# KiCad board Soccer_2v2_v1.kicad_pcb (continued)
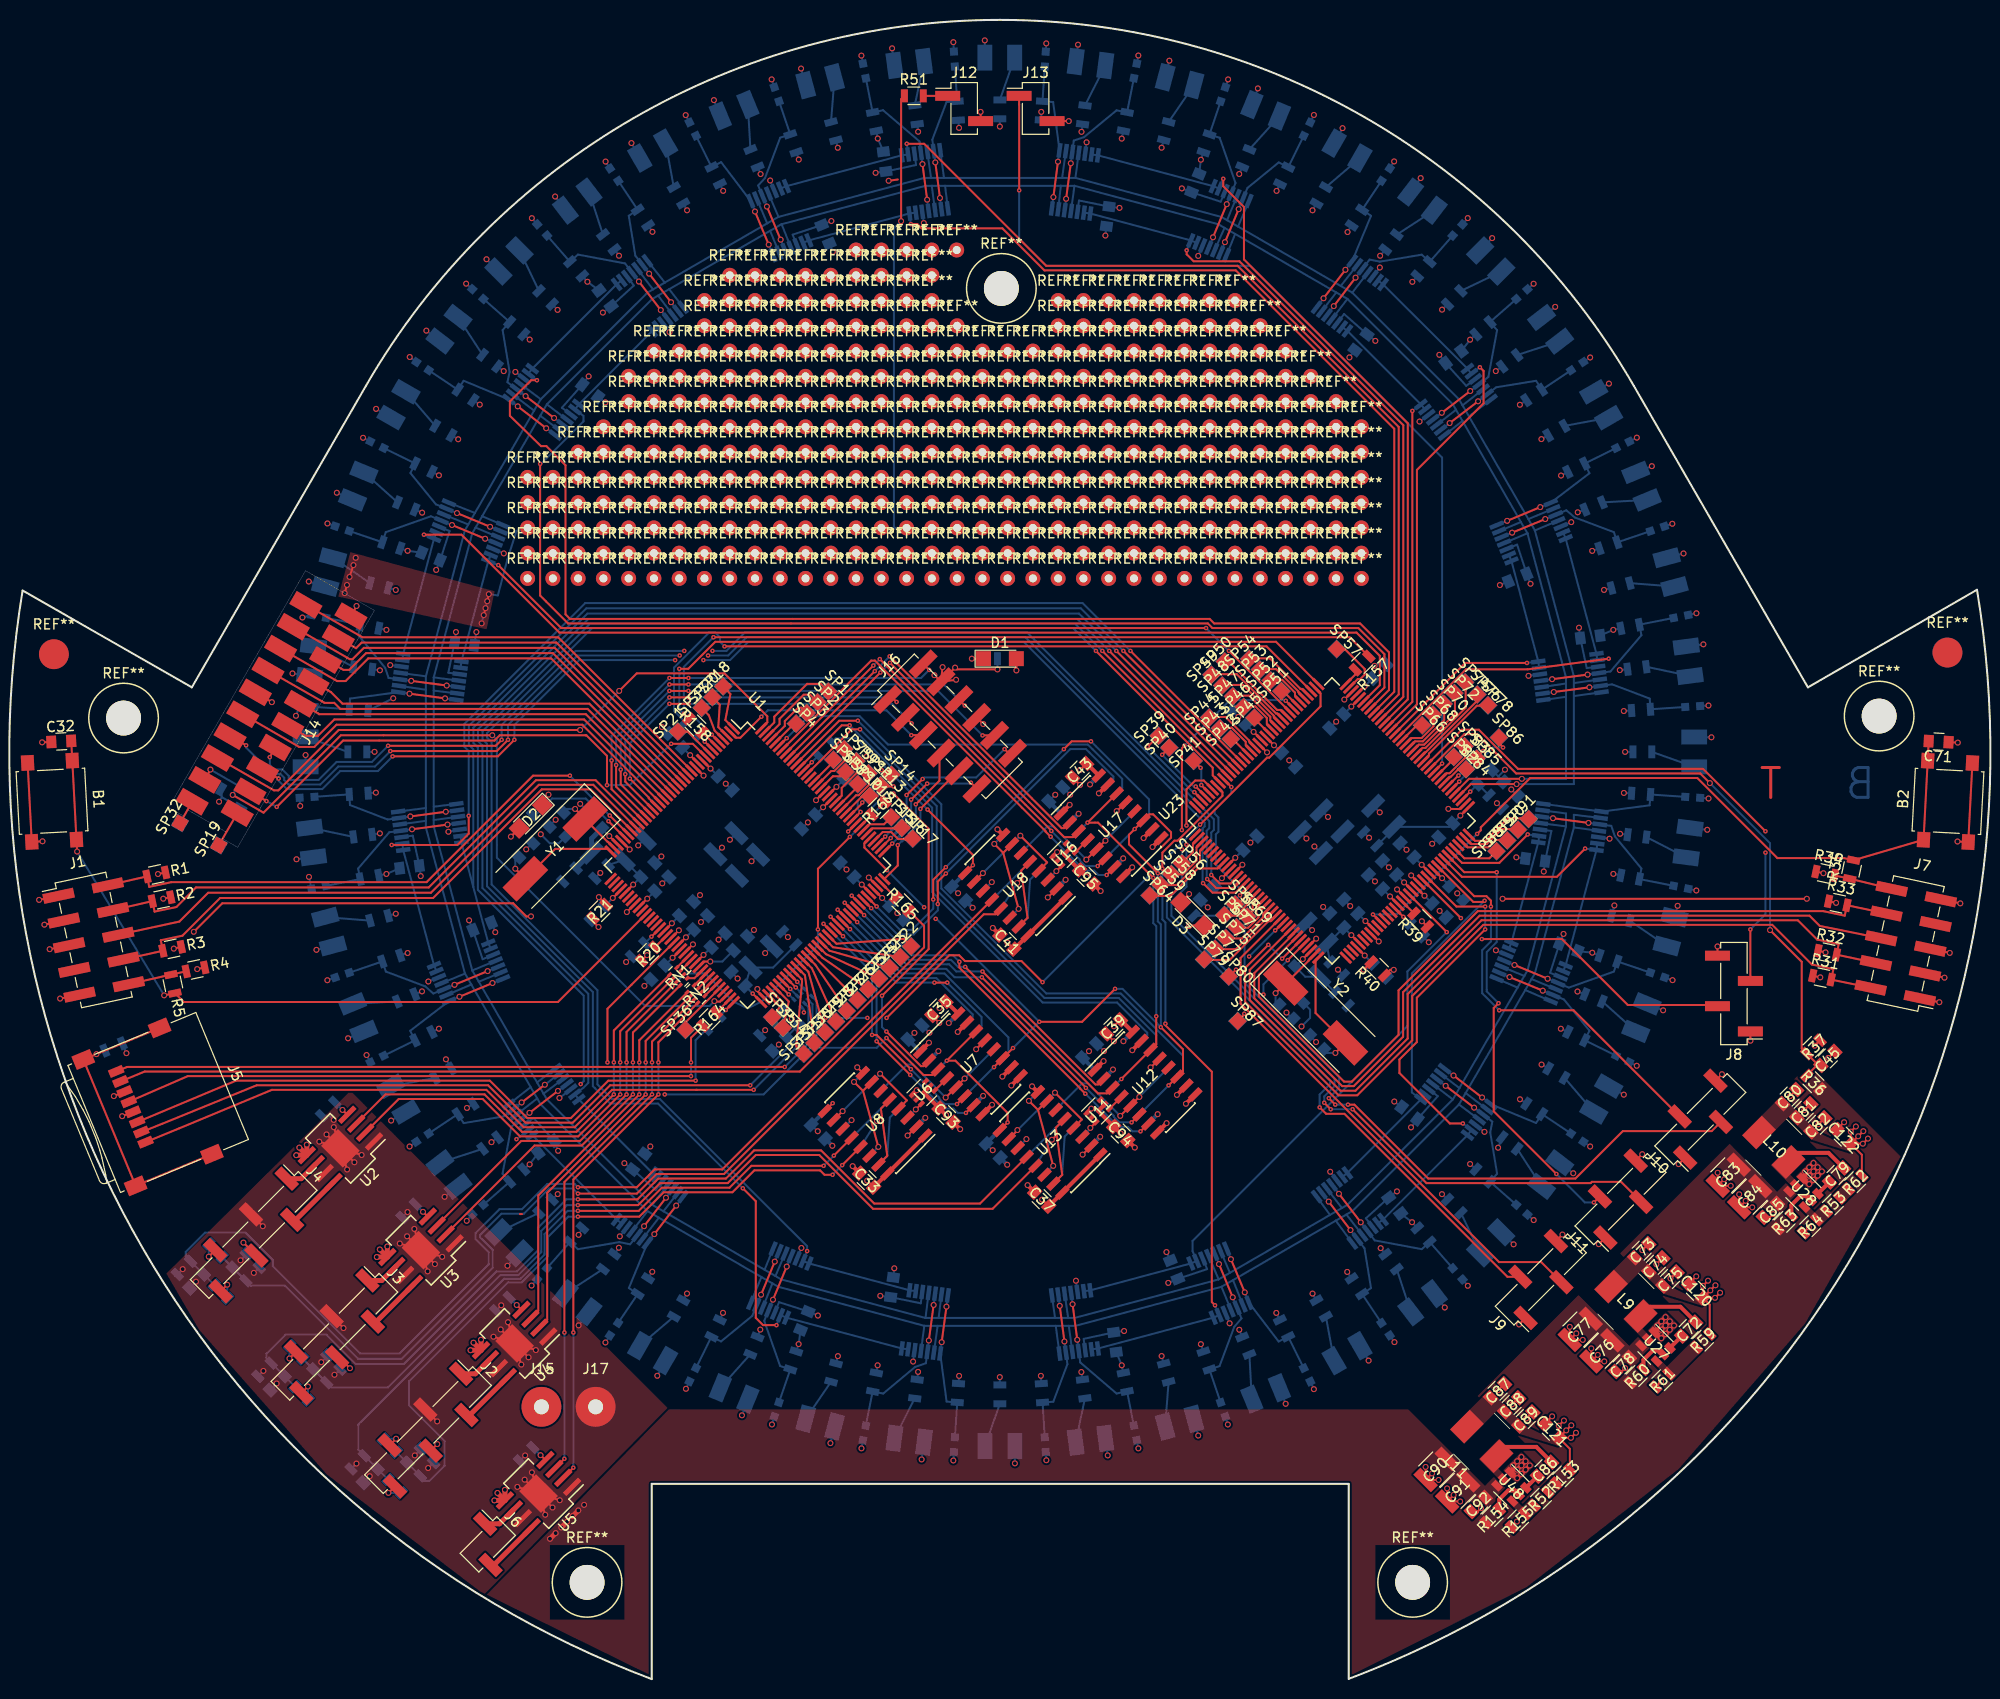
[diagram p0: board, top side]
## Nets (continued)
Net-(J12-Pad1): J12.1 R51.2
Net-(J14-Pad19): J14.19 SP19.1
Net-(J14-Pad20): J14.20 SP32.1
Net-(R18-Pad1): R18.1 U1.51
Net-(R20-Pad1): R20.1 U1.53
Net-(R22-Pad1): R22.1 U2.4
Net-(R23-Pad1): R23.1 U3.4
Net-(R24-Pad1): R24.1 U4.4
Net-(R28-Pad1): R28.1 U5.4
Net-(R38-Pad1): R38.1 U23.51
Net-(R39-Pad1): R39.1 U23.53
Net-(R53-Pad1): R53.1 R64.2 U28.4
Net-(R53-Pad2): R53.2 R62.1
Net-(R54-Pad1): R54.1 U1.132
Net-(R59-Pad1): R59.1 R61.2 U27.4
Net-(R60-Pad1): R60.1 U27.5
Net-(R63-Pad1): R63.1 U28.5
Net-(R153-Pad1): R52.2 R153.1
Net-(R154-Pad1): R154.1 U48.5
Net-(R155-Pad2): R52.1 R155.2 U48.4
Net-(R157-Pad1): R157.1 U1.5
Net-(R158-Pad1): R158.1 U1.6
Net-(R159-Pad1): R159.1 U1.7
Net-(R163-Pad2): R163.2 U1.72
Net-(R164-Pad2): R164.2 U1.71
Net-(R165-Pad2): R165.2 U1.107
Net-(R167-Pad1): R167.1 U3.3
Net-(RN1-Pad2): RN1.2
Net-(RN1-Pad5): RN1.5 U2.3
Net-(RN1-Pad6): RN1.6 U2.2
Net-(RN1-Pad7): RN1.7
Net-(RN1-Pad8): RN1.8 U3.2
Net-(RN2-Pad5): RN2.5 U4.3
Net-(RN2-Pad6): RN2.6 U4.2
Net-(RN2-Pad7): RN2.7 U5.3
Net-(RN2-Pad8): RN2.8 U5.2
Net-(RN3-Pad1): RN3.1 U1.78
Net-(RN3-Pad2): RN3.2 U1.79
Net-(RN3-Pad3): RN3.3 U1.80
Net-(RN3-Pad4): RN3.4 U1.81
Net-(RN4-Pad1): RN4.1 U1.108
Net-(RN4-Pad2): RN4.2 U1.109
Net-(RN4-Pad3): RN4.3 U1.110
Net-(RN4-Pad4): RN4.4 U1.111
Net-(SP1-Pad1): SP1.1 U1.143
Net-(SP2-Pad1): SP2.1 U1.142
Net-(SP3-Pad1): SP3.1 U1.141
Net-(SP4-Pad1): SP4.1 U1.140
Net-(SP6-Pad1): SP6.1 U1.129
Net-(SP7-Pad1): SP7.1 U1.128
Net-(SP8-Pad1): SP8.1 U1.127
Net-(SP9-Pad1): SP9.1 U1.123
Net-(SP10-Pad1): SP10.1 U1.122
Net-(SP11-Pad1): SP11.1 U1.121
Net-(SP12-Pad1): SP12.1 U1.120
Net-(SP13-Pad1): SP13.1 U1.119
Net-(SP14-Pad1): SP14.1 U1.118
Net-(SP15-Pad1): SP15.1 U1.115
Net-(SP16-Pad1): SP16.1 U1.114
Net-(SP17-Pad1): SP17.1 U1.112
Net-(SP18-Pad1): SP18.1 U1.1
Net-(SP20-Pad1): SP20.1 U1.3
Net-(SP21-Pad1): SP21.1 U1.8
Net-(SP22-Pad1): SP22.1 U1.92
Net-(SP23-Pad1): SP23.1 U1.91
Net-(SP24-Pad1): SP24.1 U1.90
Net-(SP25-Pad1): SP25.1 U1.89
Net-(SP26-Pad1): SP26.1 U1.88
Net-(SP27-Pad1): SP27.1 U1.87
Net-(SP28-Pad1): SP28.1 U1.86
Net-(SP29-Pad1): SP29.1 U1.85
Net-(SP30-Pad1): SP30.1 U1.84
Net-(SP31-Pad1): SP31.1 U1.83
Net-(SP33-Pad1): SP33.1 U1.82
Net-(SP34-Pad1): SP34.1 U1.77
Net-(SP35-Pad1): SP35.1 U1.76
Net-(SP36-Pad1): SP36.1 U1.68
Net-(SP37-Pad1): SP37.1 U1.4
Net-(SP39-Pad1): SP39.1 U23.142
Net-(SP40-Pad1): SP40.1 U23.141
Net-(SP41-Pad1): SP41.1 U23.140
Net-(SP42-Pad1): SP42.1 U23.129
Net-(SP43-Pad1): SP43.1 U23.128
Net-(SP44-Pad1): SP44.1 U23.127
Net-(SP45-Pad1): SP45.1 U23.123
Net-(SP46-Pad1): SP46.1 U23.122
Net-(SP47-Pad1): SP47.1 U23.121
Net-(SP48-Pad1): SP48.1 U23.120
Net-(SP49-Pad1): SP49.1 U23.119
Net-(SP50-Pad1): SP50.1 U23.118
Net-(SP51-Pad1): SP51.1 U23.115
Net-(SP52-Pad1): SP52.1 U23.114
Net-(SP53-Pad1): SP53.1 U23.113
Net-(SP54-Pad1): SP54.1 U23.112
Net-(SP56-Pad1): SP56.1 U23.2
Net-(SP57-Pad1): SP57.1 U23.107
Net-(SP58-Pad1): SP58.1 U23.3
Net-(SP59-Pad1): SP59.1 U23.4
Net-(SP64-Pad1): SP64.1 U23.9
Net-(SP65-Pad1): SP65.1 U23.17
Net-(SP66-Pad1): SP66.1 U23.92
Net-(SP67-Pad1): SP67.1 U23.18
Net-(SP68-Pad1): SP68.1 U23.91
Net-(SP69-Pad1): SP69.1 U23.19
Net-(SP70-Pad1): SP70.1 U23.90
Net-(SP71-Pad1): SP71.1 U23.20
Net-(SP72-Pad1): SP72.1 U23.89
Net-(SP74-Pad1): SP74.1 U23.88
Net-(SP75-Pad1): SP75.1 U23.22
Net-(SP76-Pad1): SP76.1 U23.87
Net-(SP77-Pad1): SP77.1 U23.23
Net-(SP78-Pad1): SP78.1 U23.86
Net-(SP79-Pad1): SP79.1 U23.24
Net-(SP80-Pad1): SP80.1 U23.26
Net-(SP82-Pad1): SP82.1 U23.82
Net-(SP83-Pad1): SP83.1 U23.81
Net-(SP84-Pad1): SP84.1 U23.80
Net-(SP85-Pad1): SP85.1 U23.79
Net-(SP86-Pad1): SP86.1 U23.78
Net-(SP87-Pad1): SP87.1 U23.32
Net-(SP88-Pad1): SP88.1 U23.68
Net-(SP89-Pad1): SP89.1 U23.70
Net-(SP90-Pad1): SP90.1 U23.71
Net-(SP91-Pad1): SP91.1 U23.72
Net-(U1-Pad37): U1.37
Net-(U1-Pad38): U1.38
Net-(U1-Pad39): U1.39
Net-(U1-Pad42): U1.42
Net-(U1-Pad43): U1.43
Net-(U1-Pad46): U1.46
Net-(U1-Pad48): U1.48
Net-(U1-Pad49): U1.49
Net-(U1-Pad50): U1.50
Net-(U1-Pad69): U1.69
Net-(U1-Pad130): U1.130
Net-(U6-Pad3): U6.3 U9.6
Net-(U6-Pad4): U6.4 U7.4
Net-(U6-Pad6): U6.6
Net-(U7-Pad12): U7.12
Net-(U8-Pad3): U8.3
Net-(U8-Pad6): U8.6
Net-(U8-Pad11): U8.11
Net-(U8-Pad14): U8.14
Net-(U10-Pad4): U7.13 U10.4
Net-(U10-Pad12): U10.12
Net-(U10-Pad13): U10.13
Net-(U11-Pad3): U11.3 U14.6
Net-(U11-Pad4): U11.4 U12.4
Net-(U11-Pad6): U11.6
Net-(U12-Pad12): U12.12
Net-(U12-Pad13): U12.13 U15.4
Net-(U13-Pad3): U13.3
Net-(U13-Pad6): U13.6
Net-(U13-Pad11): U13.11
Net-(U13-Pad14): U13.14
Net-(U15-Pad12): U15.12
Net-(U15-Pad13): U15.13
Net-(U16-Pad3): U16.3 U19.6
Net-(U16-Pad4): U16.4 U17.4
Net-(U16-Pad6): U16.6
Net-(U17-Pad12): U17.12
Net-(U17-Pad13): U17.13 U20.4
Net-(U18-Pad3): U18.3
Net-(U18-Pad6): U18.6
Net-(U18-Pad11): U18.11
Net-(U18-Pad14): U18.14
Net-(U20-Pad12): U20.12
Net-(U20-Pad13): U20.13
Net-(U23-Pad1): U23.1
Net-(U23-Pad5): U23.5
Net-(U23-Pad6): U23.6
Net-(U23-Pad7): U23.7
Net-(U23-Pad8): U23.8
Net-(U23-Pad21): U23.21
Net-(U23-Pad27): U23.27
Net-(U23-Pad37): U23.37
Net-(U23-Pad38): U23.38
Net-(U23-Pad39): U23.39
Net-(U23-Pad42): U23.42
Net-(U23-Pad43): U23.43
Net-(U23-Pad46): U23.46
Net-(U23-Pad48): U23.48
Net-(U23-Pad49): U23.49
Net-(U23-Pad50): U23.50
Net-(U23-Pad69): U23.69
Net-(U23-Pad130): U23.130
Net-(U23-Pad143): U23.143
Net-(U23-Pad144): U23.144

Pads without a net: REF** 1; REF**#2 1; REF**#3 1; REF**#4 1; REF**#5 1; REF**#6 1; REF**#7 1; REF**#8 1; REF**#9 1; REF**#10 1; REF**#11 1; REF**#12 1; REF**#13 1; REF**#14 1; REF**#15 1; REF**#16 1; REF**#17 1; REF**#18 1; REF**#19 1; REF**#20 1; REF**#21 1; REF**#22 1; REF**#23 1; REF**#24 1; REF**#25 1; REF**#26 1; REF**#27 1; REF**#28 1; REF**#29 1; REF**#30 1; REF**#31 1; REF**#32 1; REF**#33 1; REF**#34 1; REF**#35 1; REF**#36 1; REF**#37 1; REF**#38 1; REF**#39 1; REF**#40 1; REF**#41 1; REF**#42 1; REF**#43 1; REF**#44 1; REF**#45 1; REF**#46 1; REF**#47 1; REF**#48 1; REF**#49 1; REF**#50 1; REF**#51 1; REF**#52 1; REF**#53 1; REF**#54 1; REF**#55 1; REF**#56 1; REF**#57 1; REF**#58 1; REF**#59 1; REF**#60 1; REF**#61 1; REF**#62 1; REF**#63 1; REF**#64 1; REF**#65 1; REF**#66 1; REF**#67 1; REF**#68 1; REF**#69 1; REF**#70 1; REF**#71 1; REF**#72 1; REF**#73 1; REF**#74 1; REF**#75 1; REF**#76 1; REF**#77 1; REF**#78 1; REF**#79 1; REF**#80 1; REF**#81 1; REF**#82 1; REF**#83 1; REF**#84 1; REF**#85 1; REF**#86 1; REF**#87 1; REF**#88 1; REF**#89 1; REF**#90 1; REF**#91 1; REF**#92 1; REF**#93 1; REF**#94 1; REF**#95 1; REF**#96 1; REF**#97 1; REF**#98 1; REF**#99 1; REF**#100 1; REF**#101 1; REF**#102 1; REF**#103 1; REF**#104 1; REF**#105 1; REF**#106 1; REF**#107 1; REF**#108 1; REF**#109 1; REF**#110 1; REF**#111 1; REF**#112 1; REF**#113 1; REF**#114 1; REF**#115 1; REF**#116 1; REF**#117 1; REF**#118 1; REF**#119 1; REF**#120 1; REF**#121 1; REF**#122 1; REF**#123 1; REF**#124 1; REF**#125 1; REF**#126 1; REF**#127 1; REF**#128 1; REF**#129 1; REF**#130 1; REF**#131 1; REF**#132 1; REF**#133 1; REF**#134 1; REF**#135 1; REF**#136 1; REF**#137 1; REF**#138 1; REF**#139 1; REF**#140 1; REF**#141 1; REF**#142 1; REF**#143 1; REF**#144 1; REF**#145 1; REF**#146 1; REF**#147 1; REF**#148 1; REF**#149 1; REF**#150 1; REF**#151 1; REF**#152 1; REF**#153 1; REF**#154 1; REF**#155 1; REF**#156 1; REF**#157 1; REF**#158 1; REF**#159 1; REF**#160 1; REF**#161 1; REF**#162 1; REF**#163 1; REF**#164 1; REF**#165 1; REF**#166 1; REF**#167 1; REF**#168 1; REF**#169 1; REF**#170 1; REF**#171 1; REF**#172 1; REF**#173 1; REF**#174 1; REF**#175 1; REF**#176 1; REF**#177 1; REF**#178 1; REF**#179 1; REF**#180 1; REF**#181 1; REF**#182 1; REF**#183 1; REF**#184 1; REF**#185 1; REF**#186 1; REF**#187 1; REF**#188 1; REF**#189 1; REF**#190 1; REF**#191 1; REF**#192 1; REF**#193 1; REF**#194 1; REF**#195 1; REF**#196 1; REF**#197 1; REF**#198 1; REF**#199 1; REF**#200 1; REF**#201 1; REF**#202 1; REF**#203 1; REF**#204 1; REF**#205 1; REF**#206 1; REF**#207 1; REF**#208 1; REF**#209 1; REF**#210 1; REF**#211 1; REF**#212 1; REF**#213 1; REF**#214 1; REF**#215 1; REF**#216 1; REF**#217 1; REF**#218 1; REF**#219 1; REF**#220 1; REF**#221 1; REF**#222 1; REF**#223 1; REF**#224 1; REF**#225 1; REF**#226 1; REF**#227 1; REF**#228 1; REF**#229 1; REF**#230 1; REF**#231 1; REF**#232 1; REF**#233 1; REF**#234 1; REF**#235 1; REF**#236 1; REF**#237 1; REF**#238 1; REF**#239 1; REF**#240 1; REF**#241 1; REF**#242 1; REF**#243 1; REF**#244 1; REF**#245 1; REF**#246 1; REF**#247 1; REF**#248 1; REF**#249 1; REF**#250 1; REF**#251 1; REF**#252 1; REF**#253 1; REF**#254 1; REF**#255 1; REF**#256 1; REF**#257 1; REF**#258 1; REF**#259 1; REF**#260 1; REF**#261 1; REF**#262 1; REF**#263 1; REF**#264 1; REF**#265 1; REF**#368 1; REF**#369 1; REF**#375 1; REF**#376 1; REF**#377 1

## Via types
v1: diameter 0.6, hole 0.4, Top to Bottom, 794 vias
v2: diameter 0.45, hole 0.2, Top to Bottom, 285 vias

## Routing (per net, layer and track width the routed paths; a pad name or vN(x,y) marks a point on that pad's centre or on a via; arc(x,y) is an arc through that point)
+3V3: length 196.5
  Top w0.2: v1(70.47,72.15) 69.83,72.15 U1.62 ; C32.1 v1(3.29,94.19) ; C71.1 v1(195.89,94.16) ; R59.2 170.95,37.65 C120.1 ; J1.1 v1(2.99,78.35) ; R1.1 v1(14.94,80.95) ; R2.1 v1(15.47,78.47) ; R3.1 v1(16.53,73.45) ; R4.1 v1(18.88,71.39) ; J5.4 v1(11.34,56.6) ; J7.1 v1(194.03,68.06) ; R34.1 v1(182.38,81.03) ; R33.1 v1(183.65,78.05) ; R32.1 v1(182.59,73.07) ; R31.1 v1(182.06,70.56) ; v1(93.5,67.48) 94.16,68.13 C35.2 94.16,68.14 ; v1(111.04,65.64) 111.7,66.3 C39.2 ; v1(107.65,91.42) 108.3,92.07 C43.2 ; v1(100.34,74.05) 100.99,73.4 C41.2 ; v1(86.24,50.12) 86.9,49.46 C33.2 ; v1(103.83,48.21) 104.49,47.55 C37.2 ; v1(64.11,72.79) 63.56,72.24 R20.2 ; v1(142.01,76.2) 142.56,75.65 R39.2 ; v1(180.71,78.46) v1(150.12,78.46) ; v1(52.44,76.69) 52.43,76.68 51.98,76.68 50.65,78.01 21.41,78.01 v1(18.54,75.14) ; C120.1 170.26,39.54 v1(170.26,39.55) v1(170.77,40.06) ; C120.1 170.26,38.34 v1(171.01,39.08) v1(171.52,39.59) ; C120.1 v1(171.48,38.34) v1(171.99,38.85) ; v1(142.27,78.76) U23.57 ; v1(83.15,89.71) U1.125 ; v1(68.44,92.89) U1.11 ; v1(136.26,99.83) U23.105 ; v1(138.81,78.69) U23.52 ; v1(121.91,80.53) U23.11 ; v1(66.6,75.99) U1.52 ; v1(125.09,95.24) U23.125 ; v1(66.68,72.53) U1.57 ; v1(144.04,80.53) U23.62 ; v1(87.75,78.54) U1.105
  Top w0.4: 86.91,49.47 86.91,49.46 ; C33.2 86.9,49.46 U8.16 U8.1 ; U6.5 91.91,58.97 C93.2 v1(94.17,56.71) ; U11.5 109.46,57.13 C94.2 v1(111.72,54.86) ; C39.2 U12.16 ; C41.2 101.01,73.4 U18.16 U18.1 ; U17.16 109.53,90.85 C43.2 ; v1(108.29,80.66) C95.2 106.03,82.92 U16.5 ; U7.16 C35.2 ; C37.2 105.86,48.91 U13.16 U13.1 ; R59.2 170.93,34.71
  In1.Cu w0.2: v1(18.54,75.14) 16.85,73.45 v1(16.53,73.45) ; v1(180.71,78.46) 182.38,80.13 v1(182.38,81.03)
  Bottom w0.2: v1(70.47,72.15) 71.68,72.15 C18.1 ; v1(77.36,63.8) 76.71,63.15 C10.1 ; L2.2 v1(75.98,65.25) ; v1(149.55,88.07) L6.1 150.1,87.52 ; v1(151,89.45) C48.1 151.37,88.8 ; v1(90.99,64.98) 90.34,64.32 C36.2 ; v1(108.54,63.14) 107.89,62.48 C40.2 ; C44.2 v1(105.15,88.92) ; v1(95.38,79.02) 94.72,79.68 C42.2 ; v1(81.27,55.09) 80.62,55.74 C34.2 ; v1(98.86,53.18) 98.2,53.84 C38.2 ; L4.1 v1(59.41,81.06) ; L8.1 v1(133.57,71.33) ; L3.1 v1(78.27,74.61) ; v1(121.91,80.53) C55.1 121.14,79.77 ; v1(136.26,99.83) C58.1 137.02,100.6 ; 138.04,79.46 C54.1 v1(138.81,78.69) ; v1(142.27,78.76) C56.1 143.04,77.99 ; C19.1 v1(87.75,78.54) ; C57.1 v1(144.04,80.53) ; C15.1 v1(66.6,75.99) ; C17.1 v1(66.68,72.53) ; C14.1 v1(71.64,83.6) ; L7.1 v1(136.7,84.6) ; C20.1 v1(83.15,89.71) ; C53.1 v1(131.2,83.72) ; v1(125.09,95.24) C59.1 124.33,96 ; C16.1 v1(68.44,92.89)
  Bottom w0.4: C40.2 U15.16 ; U20.16 105.71,87.04 C44.2 ; U10.16 C36.2 ; C38.2 U14.14 ; U9.14 C34.2 ; U19.14 C42.2
+5V: length 215.6
  Top w0.2: R62.2 186.24,52.72 C122.1 ; C122.1 185.13,53.83 v1(185.87,54.58) v1(186.39,55.09) ; C122.1 v1(186.34,53.83) v1(186.86,54.35) ; C122.1 185.13,55.05 v1(185.13,55.05) v1(185.64,55.56)
  Top w0.4: R62.2 186.23,50.65
  Bottom w0.2: R43.1 v1(99.58,156.1) ; R129.1 v1(91.36,155.58) ; R44.1 v1(83.29,153.97) ; R130.1 v1(75.52,151.32) ; R49.1 v1(68.13,147.68) ; R131.1 v1(61.29,143.11) ; R50.1 v1(55.11,137.67) ; R132.1 v1(49.7,131.51) ; R69.1 v1(45.12,124.66) ; R133.1 v1(41.5,117.28) ; R70.1 v1(38.85,109.51) ; R134.1 v1(37.25,101.43) ; R75.1 v1(36.71,93.23) ; R135.1 v1(37.25,85.03) ; R76.1 v1(38.85,76.95) ; R136.1 v1(41.49,69.15) ; R138.1 v1(61.28,43.37) ; R87.1 v1(68.13,38.77) ; R139.1 v1(75.49,35.14) ; R88.1 v1(83.3,32.47) ; R140.1 v1(91.36,30.89) ; R93.1 v1(99.57,30.36) ; R141.1 v1(107.77,30.87) ; R94.1 v1(115.84,32.48) ; R142.1 v1(123.65,35.13) ; R99.1 v1(131.01,38.76) ; R143.1 v1(137.86,43.33) ; R100.1 v1(144.03,48.76) ; R105.1 v1(154.04,61.79) ; R145.1 v1(157.65,69.13) ; R146.1 v1(161.94,84.99) ; R111.1 v1(162.44,93.23) ; R147.1 v1(161.91,101.45) ; R112.1 v1(160.32,109.51) ; R148.1 v1(157.68,117.32) ; R117.1 v1(154.03,124.68) ; R149.1 v1(149.44,131.51) ; R118.1 v1(144.04,137.69) ; R150.1 v1(137.81,143.11) ; R123.1 v1(131.01,147.68) ; R151.1 v1(123.65,151.33) ; R124.1 v1(115.84,153.98) ; R152.1 v1(107.79,155.57) ; Q1.1 v1(94.9,164.58) ; Q2.1 v1(85.66,163.23) ; Q3.1 v1(76.64,160.84) ; Q4.1 v1(68,157.25) ; Q5.1 v1(59.94,152.58) ; Q6.1 v1(52.53,146.89) ; Q7.1 v1(45.92,140.3) ; Q8.1 v1(40.25,132.93) ; Q9.1 v1(35.56,124.81) ; Q10.1 v1(31.98,116.2) ; Q15.1 v1(31.97,70.27) ; Q17.1 v1(40.24,53.55) ; Q20.1 v1(59.93,33.85) ; Q21.1 v1(68.02,29.19) ; Q22.1 v1(76.67,25.6) ; Q23.1 v1(85.67,23.2) ; Q24.1 v1(94.9,21.98) ; Q25.1 v1(104.25,22) ; Q26.1 v1(113.5,23.2) ; Q27.1 v1(122.5,25.6) ; Q28.1 v1(131.15,29.15) ; Q29.1 v1(139.25,33.88) ; Q30.1 v1(146.63,39.55) ; Q31.1 v1(153.25,46.15) ; Q32.1 v1(158.93,53.55) ; Q33.1 v1(163.61,61.67) ; Q34.1 v1(167.21,70.28) ; Q35.1 v1(169.6,79.29) ; Q36.1 v1(170.83,88.54) ; Q37.1 v1(170.82,97.89) ; Q38.1 v1(169.61,107.17) ; Q39.1 v1(167.19,116.16) ; Q40.1 v1(163.62,124.82) ; Q41.1 v1(158.93,132.88) ; Q42.1 v1(153.24,140.3) ; Q43.1 v1(146.62,146.9) ; Q44.1 v1(139.22,152.6) ; Q45.1 v1(131.15,157.27) ; Q46.1 v1(122.53,160.84) ; Q47.1 v1(113.5,163.24) ; Q48.1 v1(104.25,164.46) ; U24.3 91.15,152.24 C96.2 v1(87.09,151.45) ; U25.3 78.75,145.23 C97.2 v1(82.64,146.6) ; U21.3 62.78,140.12 C98.2 v1(59.67,137.4) ; U22.3 55.55,127.83 C99.2 v1(58.24,130.99) ; U26.3 44.26,115.43 C100.2 v1(42.91,111.52) ; U29.3 44.13,101.18 C101.2 v1(44.9,105.28) ; U30.3 40.56,84.81 C102.2 v1(41.36,80.74) ; U31.3 47.58,72.38 C103.2 v1(46.22,76.29) ; U32.3 52.69,56.43 C104.2 v1(55.17,53.12) ; U33.3 64.98,49.19 C105.2 v1(61.83,51.87) ; U34.3 77.38,37.9 C106.2 v1(81.29,36.55) ; U35.3 91.63,37.79 C107.2 v1(87.56,38.54) ; U36.3 108.01,34.21 C108.2 v1(112.07,35) ; U37.3 120.42,41.22 C109.2 v1(116.51,39.84) ; U38.3 136.38,46.32 C110.2 v1(139.5,49.04) ; U39.3 143.61,58.61 C111.2 v1(140.92,55.48) ; U40.3 154.9,71.01 C112.2 v1(156.25,74.92) ; U41.3 155.03,85.28 C113.2 v1(154.26,81.2) ; U42.3 158.58,101.65 C114.2 v1(157.8,105.71) ; U43.3 151.58,114.07 C115.2 v1(152.93,110.13) ; U44.3 146.47,130.03 C116.2 v1(143.76,133.15) ; U45.3 134.18,137.25 C117.2 v1(137.33,134.55) ; U46.3 121.79,148.54 C118.2 v1(117.88,149.88) ; U47.3 107.54,148.67 C119.2 v1(111.61,147.92) ; Q11.1 v1(29.46,106.74) ; Q12.1 v1(28.81,96.86) ; Q16.1 v1(35.91,62.75) ; R81.1 v1(43.89,62.32) ; R137.1 v1(48.47,53.99) ; Q14.1 v1(30.12,80.66) ; R106.1 v1(161.36,77.79) ; Q13.1 v1(29.24,87.79) ; R144.1 v1(149.67,53.43) ; v1(55.13,48.77) R82.1 54.57,48.22 ; Q19.1 v1(52.5,39.57) ; v1(45.98,46.08) Q18.1 46.54,46.63
+5VD: length 97.4
  Top w0.2: R153.2 156.88,23.15 C121.1 ; v1(34.9,107.9) J14.1 ; v1(34.24,31.26) 33.15,32.35 J3.4 ; v1(43.02,23.63) J2.4 ; J16.4 93.66,100.28 v1(95.08,101.7) 95.26,101.52 v1(99.34,101.52) ; J16.4 v1(93,100.94) ; J16.4 v1(93.82,101.75) ; J16.4 v1(95.18,100.48) ; R51.1 89.65,158.86 v1(89.65,146.59) ; v1(175.04,64.19) 175.04,64.19 J8.1 ; J10.1 v1(167.82,51.78) ; J11.1 v1(159.79,43.73) ; v1(151.78,35.66) J9.1 ; v1(33.71,109.19) v1(33.94,110.01) ; v1(34.2,110.82) v1(34.59,112.01) ; C121.1 v1(156.52,25.01) v1(157.03,25.52) ; C121.1 155.77,25.47 v1(155.77,25.48) v1(156.29,26) ; C121.1 156.34,24.26 ; C121.1 155.77,24.81 ; C121.1 156.99,24.26 v1(156.99,24.26) v1(157.5,24.77) ; v1(48.2,109.09) v1(48.04,108.38) ; v1(47.87,107.68) v1(47.69,106.98) ; J4.4 v1(23.53,43.89) ; J4.4 24.83,42.59 ; J4.4 24.83,42.43
  Top w0.4: R153.2 156.87,21.06
  In1.Cu w0.2: v1(34.9,107.9) v1(33.71,109.19) ; v1(33.94,110.01) v1(34.2,110.82) ; v1(34.59,112.01) v1(34.82,112.74)
  Bottom w0.2: R26.1 21.36,88.67 ; 21.36,88.67 R25.1 ; 21.36,88.67 v1(21.08,88.22) ; v1(89.65,146.59) 88.93,145.87 88.93,115.75 REF**#349.1 ; v1(48.04,108.38) v1(47.87,107.68) ; v1(47.69,106.98) v1(47.48,106.15) ; REF**#334.1 50.98,115.45 50.06,112.55 49.11,108.96 v1(48.2,109.09) ; R29.2 v1(99.34,101.52)
+12V: length 29.3
  Top w0.4: 164.04,33.52 U27.3
  Top w0.5: v1(49.82,19.03) 49.82,19.03 U5.5 ; v1(49.07,18.72) 49.82,17.97 U5.5 ; v1(47.42,34.13) 47.42,34.13 U4.5 ; v1(46.66,33.83) 47.42,33.07 U4.5 ; v1(36.94,42.44) 36.94,42.44 U3.5 ; v1(38,43.5) 38,43.5 U3.5 ; v1(37.24,43.2) 38,42.44 U3.5 ; v1(28.84,52.68) 28.84,52.68 U2.5 ; v1(29.9,53.74) 29.9,53.73 U2.5 ; v1(29.15,53.44) 29.9,52.68 U2.5 ; v1(54.35,14.11) v1(54.92,14.68) ; v1(55.49,15.25) v1(56.06,15.82) ; v1(56.63,16.39) v1(57.2,16.96) ; U4.5 v1(46.36,33.07) ; R154.2 148.45,15.73 ; R63.2 177.81,45.3 ; U5.5 v1(48.76,17.97)
  In1.Cu w0.5: v1(54.92,14.68) v1(55.49,15.25) ; v1(56.06,15.82) v1(56.63,16.39) ; v1(57.2,16.96) 57.76,17.52 v1(57.78,17.52) 57.78,19.21 53.49,23.5 J15.1
/Motor Controller/VDDANA: length 9.7
  Top w0.2: v2(74.74,68.92) U1.73
  Bottom w0.2: L3.2 79.06,73.82 76.78,71.54 C24.1 C23.1 v2(74.74,68.92)
/Motor Controller/VDDOUT: length 13.7
  Top w0.2: v1(70.49,91.55) U1.10 ; v1(68.02,74.58) U1.56 ; v1(81.81,87.66) U1.124 ; v1(64.13,78.47) U1.45 ; v1(69.79,72.81) U1.61 ; v1(85.7,79.88) U1.104
  Bottom w0.2: C28.1 v1(68.02,74.58) ; C27.1 v1(64.13,78.47) ; C26.1 v1(70.49,91.55) ; C31.1 v1(81.81,87.66) ; C29.1 v1(69.79,72.81) ; C30.1 v1(85.7,79.88)
/Motor Controller/VDDUTMI: length 6.4
  Top w0.2: v1(62.72,79.88) U1.41
  Bottom w0.2: L4.2 C22.1 C21.1 v1(62.72,79.88)
/Sensor Controller/VDDANA: length 10.9
  Top w0.2: v1(145.88,86.82) U23.73
  Bottom w0.2: L7.2 139.23,85.55 C63.1 144.74,85.69 C62.1 v1(145.88,86.82)
/Sensor Controller/VDDOUT: length 13.7
  Top w0.2: v1(123.25,82.58) U23.10 ; v1(127.14,93.89) U23.124 ; v1(136.33,76.22) U23.45 ; v1(140.22,80.11) U23.56 ; v1(134.92,97.78) U23.104 ; v1(141.99,81.87) U23.61
  Bottom w0.2: C66.1 v1(136.33,76.22) ; C67.1 v1(140.22,80.11) ; C68.1 v1(141.99,81.87) ; C70.1 v1(127.14,93.89) ; C65.1 v1(123.25,82.58) ; C69.1 v1(134.92,97.78)
/Sensor Controller/VDDUTMI: length 6.5
  Top w0.2: v1(134.92,74.8) U23.41
  Bottom w0.2: L8.2 C61.1 C60.1 v1(134.92,74.8)
GND: length 498.6
  Top w0.2: U8.8 v1(85.24,61.51) ; v1(59.23,75.62) 58.66,76.19 R21.2 ; U1.44 v1(62.08,77.12) ; v1(68.72,73.87) 67.88,73.03 U1.58 ; v1(86.4,80.59) 87.25,79.74 U1.106 ; U1.126 v1(81.1,88.37) ; U1.12 v1(69.79,90.84) ; U1.33 v1(62.36,83.42) ; J1.3 v1(3.52,75.85) ; J1.5 v1(4.05,73.39) ; J1.9 v1(5.1,68.43) ; J5.6 v1(10.5,58.62) ; J4.3 v1(25.48,45.54) ; J3.3 v1(33.59,35.3) ; v1(139.18,71.32) 138.83,71.32 R40.2 ; B2.2 B2.2 v1(195.86,84.22) ; J7.9 v1(196.14,78) ; J7.5 v1(195.08,73.02) ; J7.3 v1(194.55,70.53) ; B1.2 B1.2 v1(3.33,84.24) ; J14.10 v1(26.39,98.23) ; U23.74 145.82,87.48 v1(144.67,87.5) ; v1(134.21,98.49) 135.06,99.34 U23.106 ; v1(126.44,93.18) 125.58,94.03 U23.126 ; v1(123.96,81.88) 123.11,81.03 U23.12 ; U23.33 v1(131.38,74.45) ; v1(137.67,74.17) 136.83,75.01 U23.44 136.78,75.01 ; v1(139.51,79.4) 140.36,78.55 U23.54 ; v1(140.93,80.81) 141.77,79.96 U23.58 ; 154.35,25.68 C121.2 v1(155.1,26.42) ; 167.66,40.94 C75.2 v1(167.01,40.29) ; 182.53,56.43 C82.2 182.53,56.44 v1(181.87,55.78) ; v1(67.31,75.29) 66.46,74.44 U1.54 66.46,74.44 ; C83.2 v1(172.4,50.26) ; C83.2 173.06,49.6 v1(173.06,49.6) ; C83.2 v1(171.75,50.91) ; v1(173.91,48.75) 173.91,48.74 C84.2 ; v1(175.22,47.43) 175.22,47.44 C84.2 ; C84.2 v1(174.56,48.09) ; v1(177.31,46.75) 176.98,46.42 C85.2 ; v1(180.92,45.43) 180.37,44.88 R64.1 ; v1(179.03,58.62) 179.69,59.28 C80.2 ; C81.2 v1(180.45,57.2) ; v1(164.17,43.13) 164.82,43.78 C73.2 ; v1(165.58,41.71) 166.24,42.36 C74.2 ; v1(157.53,34.76) 156.88,34.11 C77.2 ; v1(158.18,34.11) 158.18,34.11 C77.2 ; v1(159.04,33.25) 159.04,33.25 C76.2 ; v1(160.35,31.94) 160.35,31.94 C76.2 ; C76.2 v1(159.7,32.6) ; v1(162.44,31.26) 162.11,30.93 C78.2 ; v1(166.06,29.93) 165.51,29.38 R61.1 ; v1(147.95,17.18) 147.62,16.85 C92.2 ; v1(143.69,20.03) 143.69,20.02 C90.2 ; v1(143.04,20.68) 142.38,20.03 C90.2 ; v1(144.54,19.17) 144.55,19.17 C91.2 ; C91.2 v1(145.2,18.52) ; C91.2 145.86,17.86 v1(145.86,17.86) ; R155.1 v1(151.56,15.84) ; C87.2 v1(149.67,29.05) ; v1(151.09,27.63) 151.74,28.28 C88.2 ; v1(152.51,26.21) 153.17,26.86 C89.2 ; v1(97.64,157.58) 97.65,157.57 J12.2 ; v1(75.2,69.39) 75.2,69.17 75.94,68.43 U1.74 75.94,68.47 ; U2.1 v1(32.61,55.5) ; U2.1 v1(31.15,54.04) ; U2.1 v1(35.41,52.7) ; U2.1 v1(33.95,51.24) ; U2.1 v1(34.68,51.97) ; U2.1 v1(31.88,54.77) ; U3.1 v1(40.71,45.27) ; U3.1 v1(39.25,43.8) ; U3.1 v1(43.51,42.46) ; U3.1 v1(42.05,41) ; U3.1 v1(42.78,41.73) ; U3.1 v1(39.98,44.53) ; U4.1 v1(50.13,35.88) ; U4.1 v1(48.67,34.42) ; U4.1 v1(52.93,33.08) ; U4.1 v1(51.47,31.62) ; U4.1 v1(52.2,32.35) ; U4.1 v1(49.4,35.15) ; U5.1 v1(52.53,20.78) ; U5.1 v1(51.07,19.32) ; U5.1 v1(55.33,17.98) 55.33,17.98 ; U5.1 v1(53.87,16.52) 53.87,16.52 ; U5.1 v1(51.8,20.05) ; U5.1 v1(54.6,17.25) 54.6,17.25 ; v1(43.01,25.91) 43.01,25.91 J2.3 ; v1(54.2,88.93) 53.58,88.31 D2.1 ; J16.8 v1(97.91,96.03) ; J9.4 v1(156.14,44.7) ; J11.4 v1(164.16,52.78) ; J10.4 v1(172.18,60.82) ; v1(171.73,73.67) 171.73,73.66 171.73,72.74 ; v1(118.61,75.72) 118.66,75.77 D3.1 ; v1(107.64,89.91) 106.89,90.66 C43.1 ; v1(111.04,64.13) 110.29,64.88 C39.1 ; v1(93.49,65.98) 92.74,66.72 C35.1 ; C77.2 v1(156.88,35.42) ; C45.2 v1(182.87,62.46) ; v1(167.36,35.55) v1(166.93,35.13) ; C90.2 v1(142.38,21.33) ; C122.2 v1(184.46,55.99) ; C120.2 v1(169.59,40.49) ; J13.2 v1(106.51,156.65) ; R37.2 v1(181.49,63.69) ; U7.15 96.29,66.01 ; D1.1 v1(96.76,102.6)
  Top w0.4: 180.93,51.44 v1(180.95,51.47) ; 180.93,51.44 v1(180.53,51.04) 180.53,50.63 U28.1 ; 180.93,51.44 v1(181.38,51.89) ; v1(100.73,59.68) U7.9 ; v1(98.79,57.74) U7.8 ; U7.10 v1(99.83,60.58) ; v1(92.45,63.99) U7.1 ; U7.15 v1(95.34,65.07) ; v1(117.38,58.74) 117.38,58.74 U12.10 ; C94.1 v1(113.15,53.44) ; v1(114.93,83.66) 114.93,83.67 U17.9 ; v1(112.89,81.62) 112.88,81.62 U17.8 ; v1(114.03,84.56) 114.03,84.57 U17.10 ; v1(109.53,89.06) 109.54,89.06 U17.15 ; v1(106.6,87.91) 106.59,87.91 U17.1 ; C95.1 v1(109.71,79.24) ; v1(182.23,51.04) v1(181.8,50.62) v1(181.38,50.19) v1(180.95,49.77) 180.85,49.77 U28.1 ; U27.1 165.66,35.13 v1(165.66,35.55) v1(166.08,35.97) v1(166.51,36.4) ; U27.1 165.98,34.28 v1(166.08,34.28) v1(166.51,34.7) v1(166.93,35.13) ; U27.1 165.65,35.13 v1(166.08,35.13) v1(166.51,35.55) v1(166.93,35.97) ; U11.1 v1(108.78,57.36) ; v1(152.01,22.33) v1(151.59,21.91) v1(151.16,21.48) 151.16,21.05 U48.1 ; U12.9 v1(118.29,57.85) ; C33.1 v1(84.78,51.58) ; U13.8 v1(102.82,59.6) ; U12.15 v1(112.89,63.23) ; U28.1 180.52,50.62 v1(180.95,50.62) v1(181.38,51.04) v1(181.8,51.47) ; C41.1 v1(98.87,75.53) ; U12.8 v1(116.34,55.9) ; U6.1 v1(91.22,59.21) ; C93.1 v1(95.59,55.29) ; C37.1 v1(102.37,49.67) ; U48.1 151.17,21.06 v1(151.59,21.06) v1(152.01,21.48) v1(152.44,21.91) ; U48.1 151.48,20.21 v1(151.59,20.21) v1(152.01,20.63) v1(152.44,21.06) v1(152.86,21.48) ; U18.8 v1(99.34,85.44) ; v1(110.01,62.14) U12.1 ; U16.1 v1(105.34,83.15)
  Bottom w0.2: C21.2 v1(65.55,82.72) ; C15.2 v1(69.44,78.83) ; v1(74.86,75.33) 74.21,74.67 C18.2 ; v1(65.61,95.73) 66.26,95.07 C16.2 ; v1(78.67,66.41) 79.32,65.76 C11.2 C10.2 ; C17.2 v1(63.84,69.7) ; R18.2 v1(62,72.1) ; C13.2 v1(59.23,75.62) ; R19.2 v1(11.77,62.93) ; R16.2 v1(17.43,41.22) ; C7.2 v1(18.76,39.96) ; R12.2 v1(25.54,30.99) ; C3.2 v1(26.87,29.72) ; R46.2 v1(87.31,154.9) C96.1 ; R47.2 v1(79.36,152.78) ; v1(95.48,155.97) R45.2 ; R48.2 v1(71.76,149.64) ; R65.2 v1(64.65,145.51) ; R66.2 v1(58.11,140.5) C98.1 ; R67.2 v1(52.31,134.68) ; R68.2 v1(47.29,128.14) ; R71.2 v1(43.19,121.03) ; R72.2 v1(40.04,113.44) C100.1 ; R73.2 v1(37.91,105.5) ; R77.2 v1(36.85,89.13) ; R78.2 v1(37.9,80.95) C102.1 ; R79.2 v1(40.04,73) ; R80.2 v1(43.19,65.39) ; R84.2 v1(52.31,51.75) C104.1 ; R86.2 v1(64.64,40.96) ; R89.2 v1(71.75,36.83) ; R90.2 v1(79.35,33.69) C106.1 ; R91.2 v1(87.29,31.55) ; R92.2 v1(95.48,30.49) ; R95.2 v1(103.7,30.49) ; R96.2 v1(111.83,31.55) C108.1 ; R97.2 v1(119.79,33.68) ; R98.2 v1(127.37,36.82) ; R101.2 v1(134.5,40.94) ; R102.2 v1(141.02,45.94) C110.1 ; R103.2 v1(146.86,51.79) ; R104.2 v1(151.87,58.3) ; R107.2 v1(155.98,65.39) ; R108.2 v1(159.14,73.04) C112.1 ; R109.2 v1(161.26,80.96) ; R110.2 v1(162.32,89.1) ; R113.2 v1(162.31,97.34) ; R114.2 v1(161.25,105.5) C114.1 ; R115.2 v1(159.13,113.44) ; R116.2 v1(156,121.01) ; R119.2 v1(151.86,128.13) ; R120.2 v1(146.86,134.67) C116.1 ; R121.2 v1(141.05,140.49) ; R122.2 v1(134.53,145.49) ; R125.2 v1(127.4,149.63) ; R126.2 v1(119.79,152.76) C118.1 ; R127.2 v1(111.83,154.89) ; D4.1 v1(98.06,164.76) ; D5.1 v1(88.75,163.96) ; D6.1 v1(79.59,161.93) ; D7.1 v1(70.83,158.76) ; D8.1 v1(62.54,154.44) ; D9.1 v1(54.87,149.07) ; D18.1 v1(47.97,142.76) ; D19.1 v1(41.92,135.58) ; D20.1 v1(36.87,127.72) ; D21.1 v1(32.92,119.28) ; D22.1 v1(30.1,110.36) ; D23.1 v1(28.46,101.12) ; D25.1 v1(28.87,82.43) ; D26.1 v1(30.87,73.32) ; D27.1 v1(34.05,64.43) ; D29.1 v1(43.76,48.49) ; D30.1 v1(50.07,41.56) ; D32.1 v1(65.14,30.5) ; D33.1 v1(73.65,26.52) ; D34.1 v1(82.54,23.73) ; D35.1 v1(91.72,22.09) ; D36.1 v1(101.09,21.69) ; D37.1 v1(110.42,22.49) ; D38.1 v1(119.52,24.49) ; D39.1 v1(128.32,27.68) ; D40.1 v1(136.65,32.02) ; D41.1 v1(144.31,37.37) ; D42.1 v1(151.23,43.71) ; D43.1 v1(157.23,50.86) ; D44.1 v1(162.31,58.76) ; D45.1 v1(166.26,67.24) ; D47.1 v1(170.7,85.4) ; D48.1 v1(171.12,94.69) ; D49.1 v1(170.31,104.04) ; D50.1 v1(168.31,113.18) ; D51.1 v1(165.13,121.96) ; D52.1 v1(160.82,130.25) ; D53.1 v1(155.41,137.97) ; D54.1 v1(149.07,144.88) ; D55.1 v1(141.89,150.92) ; D56.1 v1(134.03,155.94) ; D57.1 v1(125.52,159.93) ; D58.1 v1(116.62,162.72) ; D59.1 v1(107.44,164.33) ; U25.12 v1(76.49,150.68) ; U21.12 v1(66.37,135.43) ; U22.12 v1(50.87,131.43) ; U26.12 v1(49.71,113.18) ; U29.12 v1(38.29,101.95) ; U31.12 v1(42.12,70.14) ; U33.12 v1(61.37,44.52) ; U34.12 v1(79.62,43.35) ; U35.12 v1(90.86,31.93) ; U36.12 v1(107.23,40.05) ; U37.12 v1(122.68,35.77) ; U38.12 v1(132.79,51.01) ; U39.12 v1(148.3,55.02) ; U40.12 v1(149.45,73.28) ; U41.12 v1(160.88,84.5) ; U42.12 v1(152.73,100.87) ; U43.12 v1(157.03,116.33) ; U44.12 v1(141.77,126.44) ; U45.12 v1(137.78,141.93) ; U46.12 v1(119.52,143.09) ; U47.12 v1(108.3,154.52) ; U24.12 v1(91.93,146.4) ; C97.1 v1(82.79,143.5) ; C99.1 v1(59.92,128.37) ; C105.1 v1(64.44,53.56) ; C107.1 v1(88.97,41.3) ; C109.1 v1(116.33,42.94) ; C111.1 v1(139.23,58.07) ; C113.1 v1(151.5,82.63) ; C115.1 v1(149.85,110) ; C117.1 v1(134.72,132.89) ; C119.1 v1(110.19,145.14) ; C70.2 v1(128.67,92.38) ; C69.2 v1(133.39,96.27) ; C68.2 v1(140.46,83.39) ; C67.2 v1(138.69,81.62) ; C66.2 v1(134.8,77.73) ; C65.2 v1(124.77,84.11) ; C27.2 v1(65.64,80.01) ; C28.2 v1(69.53,76.12) ; C29.2 v1(71.3,74.35) ; C30.2 v1(84.16,81.4) ; v1(80.28,86.14) C31.2 79.63,85.48 ; v1(72.02,90.03) C26.2 72.67,89.37 ; U32.12 v1(55.3,58.43) ; v1(89.27,77.02) 89.92,76.36 C19.2 90,76.36 ; D46.1 v1(167.72,77.75) ; C101.1 v1(46.95,105.28) ; R74.2 v1(38.59,98.62) ; 149.68,90.77 C49.2 ; 149.68,90.77 149.69,90.77 v1(150.36,91.44) ; 149.68,90.77 C48.2 ; v1(123.56,96.75) 122.91,97.4 C59.2 ; C54.2 v1(137.29,80.21) ; v1(143.79,77.24) 144.44,76.58 C56.2 ; C57.2 v1(145.56,79.01) ; C12.1 v1(51.96,83.43) ; v1(54.92,86.4) C9.1 54.27,85.74 ; v1(57.39,88) 58.13,87.26 C5.2 ; v1(128.39,67.02) 129.05,66.36 C50.1 ; C51.1 v1(131.37,64.06) ; C22.2 v1(63.22,83.83) ; C61.2 v1(130.97,75.31) ; v1(73.21,70.44) C23.2 72.56,70.63 ; v1(23.24,42.11) 23.24,42.11 C8.2 ; v1(31.35,31.87) 31.36,31.87 C4.2 ; v1(32.68,30.6) 32.69,30.6 R10.2 ; v1(137.25,101.88) 137.38,102.01 C58.2 138.43,102.01 ; R85.2 v1(57.23,44.67) ; R83.2 v1(46,57.43) ; D28.1 v1(38.38,56.16) ; v1(32.61,56.23) 32.19,56.65 R22.2 ; v1(40.03,46.96) 39.48,46.41 R23.2 ; v1(51.85,22.49) 51.3,21.93 R28.2 ; D31.1 v1(57.23,35.57) ; C103.1 v1(48.85,75.1) ; U30.12 v1(44.14,85.2) ; v1(120.48,77.6) 119.73,78.35 C55.2 119.73,78.36 ; v1(86.19,92.76) 85.33,91.9 C20.2 85.33,91.89 ; v1(53.42,84.95) 54.33,84.04 55.23,84.04 C6.2 56.42,85.22 ; v1(129.91,65.62) 130.77,66.47 130.77,67.31 C47.2 C46.2 ; v1(106.65,88.93) 105.91,89.67 C44.1 ; v1(110.05,63.15) 109.3,63.89 C40.1 ; v1(92.5,64.99) 91.75,65.73 C36.1 ; D24.1 v1(29.78,92.91) ; C64.2 v1(132.57,86.69) ; R6.2 v1(42.1,21.22) ; C52.2 v1(139.18,71.32) ; R24.2 v1(49.45,37.59) ; C60.2 v1(132.08,77.64) ; R14.2 v1(24.58,40.84) ; R128.2 v1(103.74,157.58) ; C14.2 v1(72.44,84.4) ; C24.2 v1(75.98,73) ; C25.2 v1(74.61,82.23) ; C63.2 v1(137.77,87.15) ; C1.2 v1(36.23,20.4) ; C53.2 v1(130.4,84.52) ; C2.2 v1(40.76,22.49) ; C62.2 v1(143.04,83.99) ; R38.2 v1(142.7,74.09) ; R8.2 v1(34.89,21.67)
  Bottom w0.4: U7.8 v1(98.79,57.74) ; U10.10 v1(97.9,58.64) ; U10.15 v1(93.4,63.14) ; v1(94.45,65.97) U10.1 ; U7.9 v1(100.73,59.68) ; v1(118.29,57.85) U12.9 ; v1(116.34,55.9) U12.8 ; v1(114.93,83.66) 114.93,83.67 U17.9 ; v1(112.89,81.62) 112.88,81.62 U17.8 ; v1(111.98,82.53) 111.98,82.52 U20.10 ; v1(107.5,87.01) 107.49,87.01 U20.15 ; v1(108.64,89.95) 108.64,89.96 U20.1 ; U9.7 v1(92.08,56.44) ; C42.1 v1(96.84,77.55) ; C38.1 v1(100.32,51.72) ; U15.10 v1(115.44,56.8) ; U19.7 v1(106.19,80.37) ; C34.1 v1(82.74,53.62) ; v1(112,64.13) U15.1 ; U14.7 v1(109.67,54.53) ; U15.15 v1(110.95,61.29)
